# Altium PCB GE21_M1_pku_f100.PcbDoc (part 8 of 19) (continued)
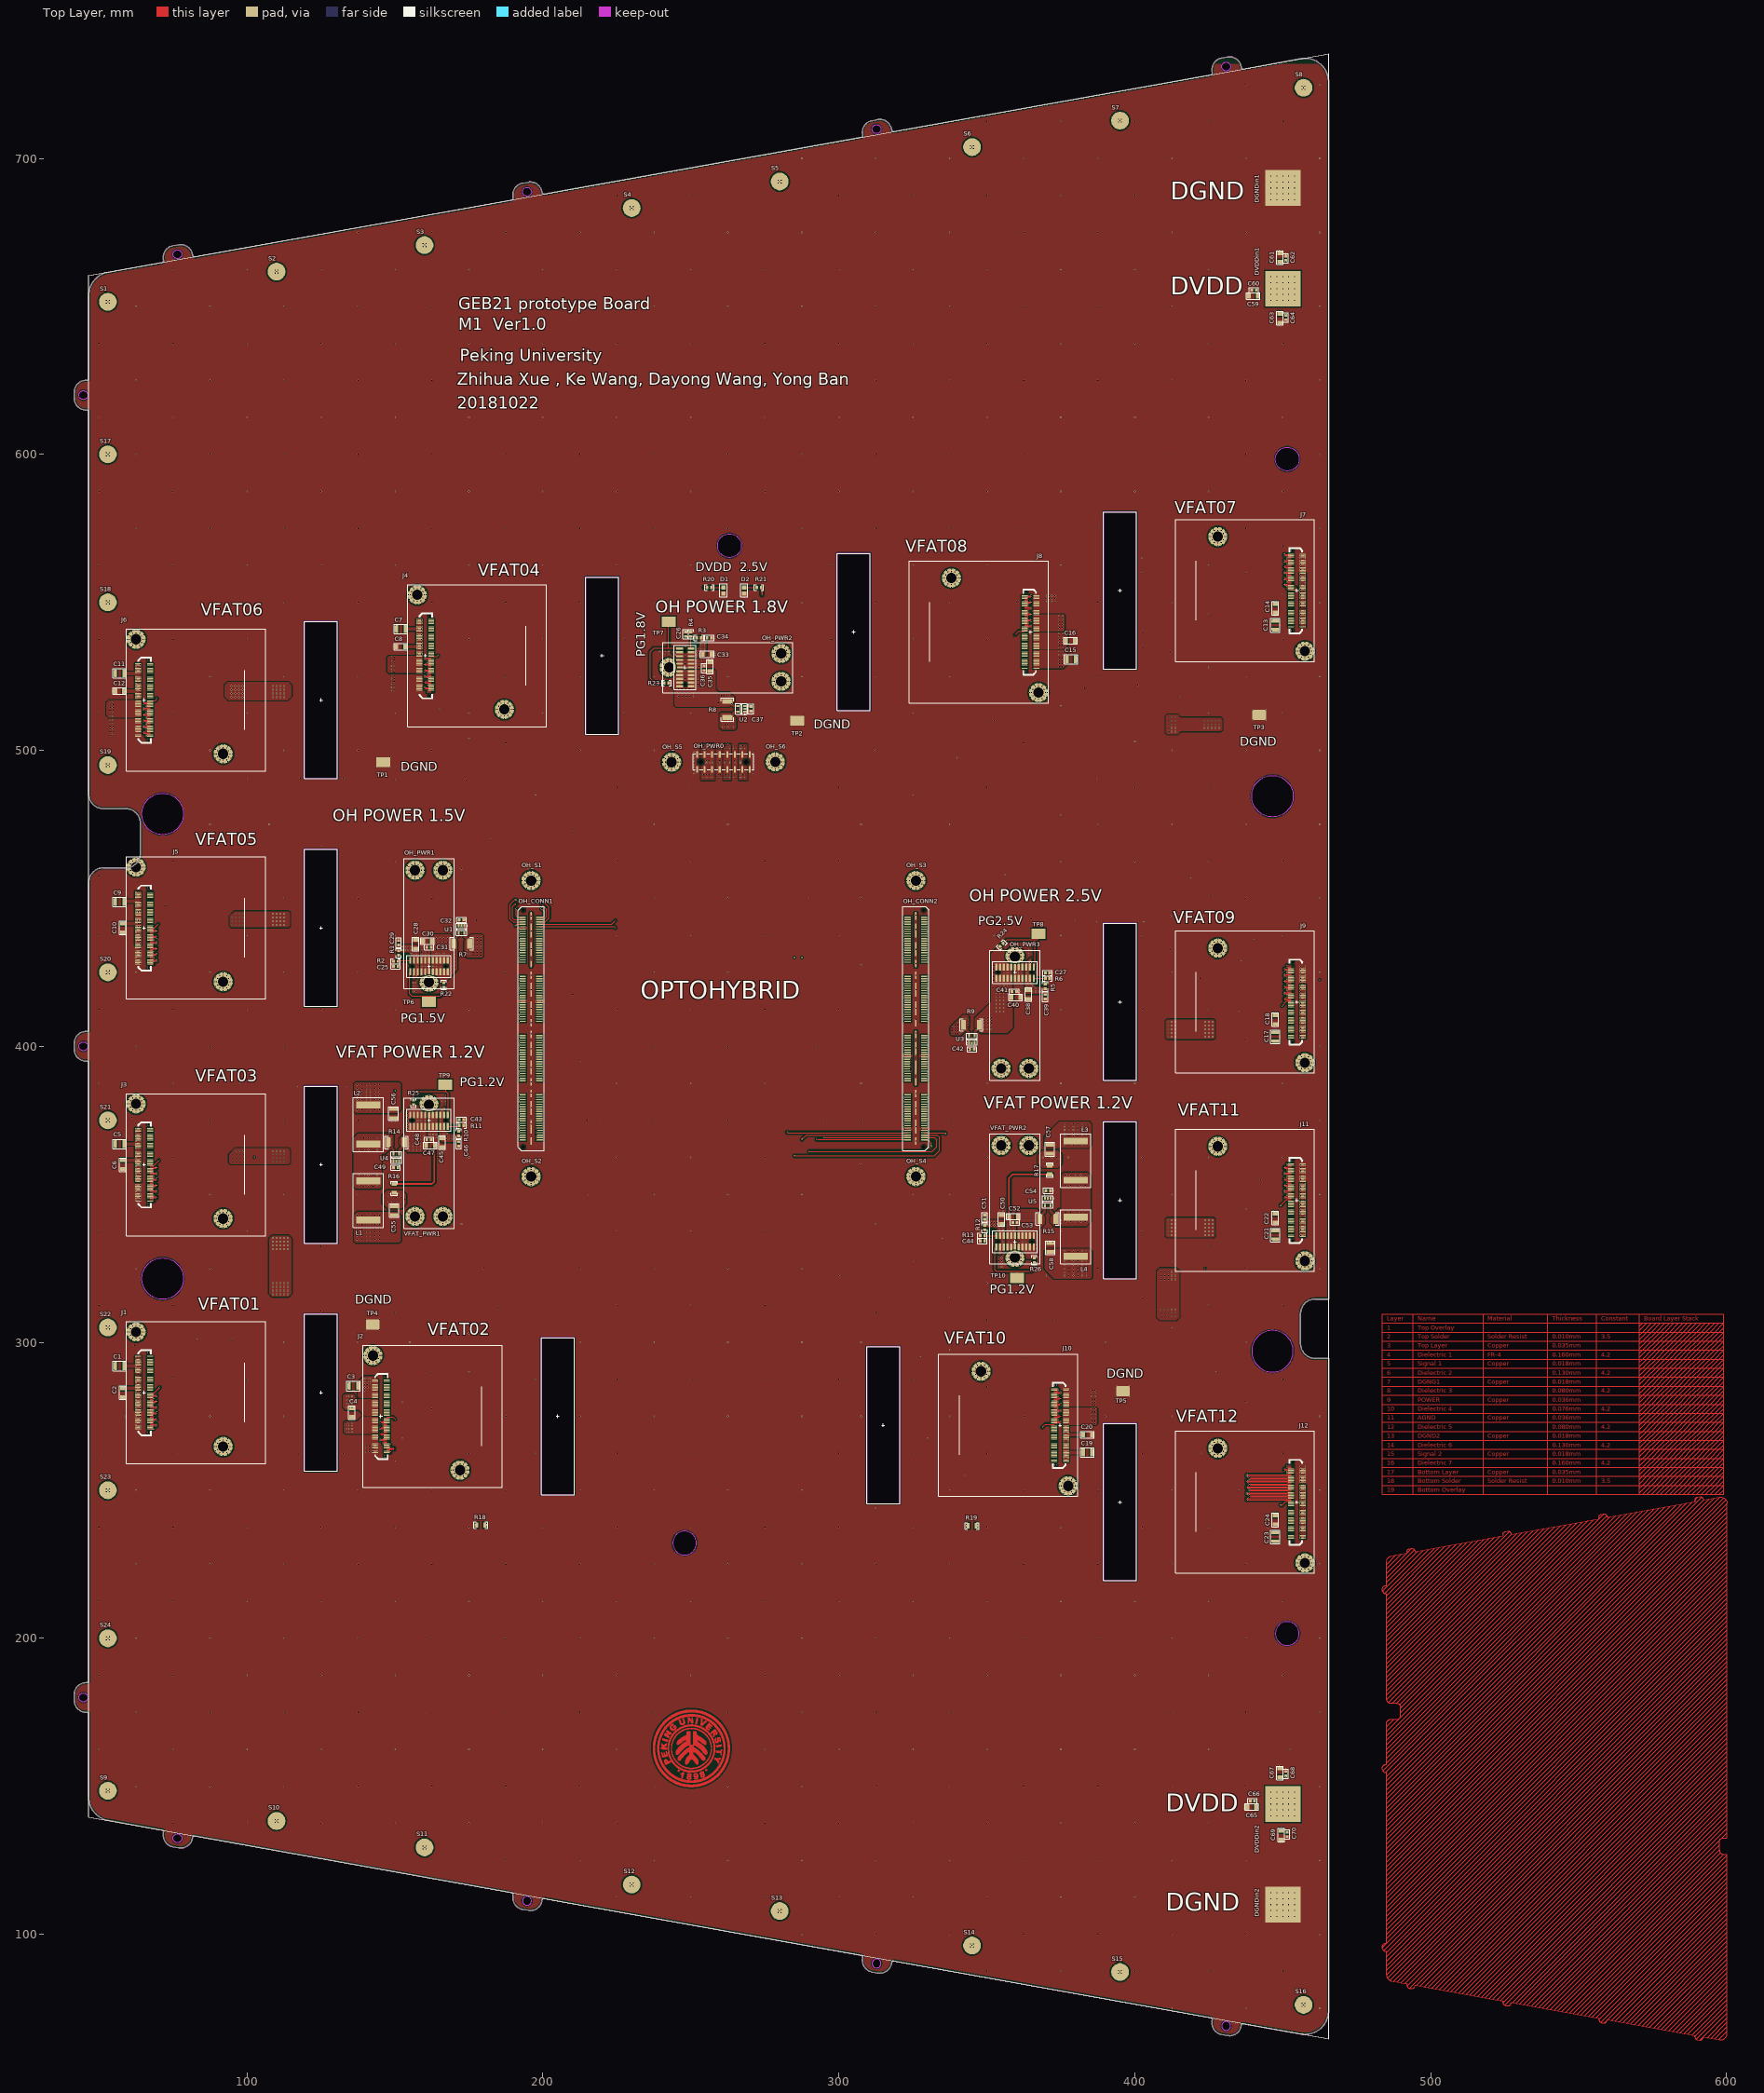
[diagram p0: Top Layer view]
## Nets (pads, with @x,y where several pads share a name; then routed paths per layer and width w, separated by ;. In a path a pad name is that pad's centre, name@x,y a point inside that pad or via, vN(x,y) a via of type N, cw(c..) or ccw(c..) an arc to the next point about the centre after c; other vN are vias at no path point) (continued)
  other v4: 374.93,276.7 375.07,276.7
J10D5_N: J10.76 OH_CONN2.87 | length 196.1
  Top Layer w0.25: J10.76@372.75,278.25 373.95,278.25 v5(374,278.3)
  Signal 2 w0.115: 315.734,409.729 301.496,395.491 ccw(c303.54,393.448) 300.65,393.448 300.65,342.552 ccw(c303.54,342.552) 301.496,340.509 317.253,324.753 340.509,301.496 ; 315.734,409.729 cw(c317.777,407.685) 317.777,410.575 321.457,410.575 ccw(c321.457,411.343) v6(322,410.8) ; 340.509,301.496 ccw(c342.552,303.54) 342.552,300.65 365.298,300.65 cw(c365.298,298.11) 367.094,299.906 378.256,288.744 cw(c376.46,286.948) 379,286.948 379,280.715 cw(c376.46,280.715) 376.46,278.175 374.302,278.175 cw(c374.302,278.602) v5(374,278.3)
  other v4: 374.07,278.3
J10D5_P: J10.74 OH_CONN2.85 | length 196.1
  Top Layer w0.25: J10.74@372.75,277.75 373.95,277.75 v5(374,277.7)
  Signal 2 w0.115: v6(322,410) ccw(c321.457,409.457) 321.457,410.225 317.777,410.225 ccw(c317.777,407.685) 315.981,409.481 301.744,395.244 ccw(c303.54,393.448) 301,393.448 301,342.552 ccw(c303.54,342.552) 301.744,340.756 317.5,325 340.756,301.744 ccw(c342.552,303.54) 342.552,301 365.298,301 cw(c365.298,298.11) 367.341,300.154 ; 367.341,300.154 378.504,288.991 ; v5(374,277.7) cw(c374.302,277.398) 374.302,277.825 376.46,277.825 ccw(c376.46,280.715) 379.35,280.715 379.35,286.948 ccw(c376.46,286.948) 378.504,288.991
  other v4: 374.07,277.7
J10D6_N: J10.80 OH_CONN2.91 | length 196.3
  Top Layer w0.115: J10.80@372.75,279.25 373.8,279.25 373.875,279.175 374.698,279.175 ccw(c374.698,279.602) v5(375,279.3)
  Signal 2 w0.115: v6(322,412.4) cw(c321.457,412.943) 321.457,412.175 317.877,412.175 ccw(c317.877,409.285) 315.834,411.329 300.496,395.991 ccw(c302.54,393.948) 299.65,393.948 299.65,342.052 ccw(c302.54,342.052) 300.496,340.009 340.009,300.496 ; 340.009,300.496 ccw(c342.052,302.54) 342.052,299.65 364.798,299.65 cw(c364.798,297.11) 366.594,298.906 377.256,288.244 cw(c375.46,286.448) 378,286.448 378,281.175 cw(c376,281.175) 376,279.175 375.302,279.175 cw(c375.302,279.602) v5(375,279.3)
  other v4: 374.93,279.3 375.07,279.3
J10D6_P: J10.78 OH_CONN2.89 | length 196.3
  Top Layer w0.115: J10.78@372.75,278.75 373.8,278.75 373.875,278.825 374.698,278.825 cw(c374.698,278.398) v4@375,278.7
  Signal 2 w0.115: v6(322,411.6) ccw(c321.457,411.057) 321.457,411.825 317.877,411.825 ccw(c317.877,409.285) 316.081,411.081 300.744,395.744 ccw(c302.54,393.948) 300,393.948 300,342.052 ccw(c302.54,342.052) 300.744,340.256 340.256,300.744 ccw(c342.052,302.54) 342.052,300 364.798,300 cw(c364.798,297.11) 366.841,299.154 ; 366.841,299.154 377.504,288.491 ; v4@375,278.7 cw(c375.302,278.398) 375.302,278.825 376,278.825 ccw(c376,281.175) 378.35,281.175 378.35,286.448 ccw(c375.46,286.448) 377.504,288.491
  other v4: 374.93,278.7 375.07,278.7
  other v5: 375,278.7
J10D7_N: J10.84 OH_CONN2.95 | length 196.4
  Top Layer w0.25: J10.84@372.75,280.25 373.95,280.25 v5(374,280.3)
  Signal 2 w0.115: v6(322,414) cw(c321.457,414.543) 321.457,413.775 317.977,413.775 ccw(c317.977,410.885) 315.934,412.929 299.496,396.491 ccw(c301.54,394.448) 298.65,394.448 298.65,341.552 ccw(c301.54,341.552) 299.496,339.509 339.545,299.46 ccw(c341.5,301.414) 341.5,298.65 364.298,298.65 cw(c364.298,296.11) 366.094,297.906 376.256,287.744 cw(c374.46,285.948) 377,285.948 377,281.675 cw(c375.5,281.675) 375.5,280.175 374.302,280.175 cw(c374.302,280.602) v5(374,280.3)
  other v4: 374.07,280.3
J10D7_P: J10.82 OH_CONN2.93 | length 196.4
  Top Layer w0.25: J10.82@372.75,279.75 373.95,279.75 v5(374,279.7)
  Signal 2 w0.115: v6(322,413.2) ccw(c321.457,412.657) 321.457,413.425 317.977,413.425 ccw(c317.977,410.885) 316.181,412.681 299.744,396.244 ccw(c301.54,394.448) 299,394.448 299,341.552 ccw(c301.54,341.552) 299.744,339.756 339.793,299.707 ccw(c341.5,301.414) 341.5,299 364.298,299 cw(c364.298,296.11) 366.341,298.154 ; 366.341,298.154 376.504,287.991 ; v5(374,279.7) cw(c374.302,279.398) 374.302,279.825 375.5,279.825 ccw(c375.5,281.675) 377.35,281.675 377.35,285.948 ccw(c374.46,285.948) 376.504,287.991
  other v4: 374.07,279.7
J10D8_N: J10.88 OH_CONN2.99 | length 196.9
  Top Layer w0.115: J10.88@372.75,281.25 373.8,281.25 373.875,281.175 374.698,281.175 ccw(c374.698,281.602) v5(375,281.3)
  Signal 2 w0.115: v6(322,415.6) cw(c321.457,416.143) 321.457,415.375 318.077,415.375 ccw(c318.077,412.485) 316.034,414.529 298.496,396.991 ccw(c300.54,394.948) 297.65,394.948 297.65,341.052 ccw(c300.54,341.052) 298.496,339.009 339.009,298.496 ; 339.009,298.496 ccw(c341.052,300.54) 341.052,297.65 363.798,297.65 cw(c363.798,295.11) 365.594,296.906 375.256,287.244 cw(c373.46,285.448) 376,285.448 376,281.675 cw(c375.5,281.675) 375.5,281.175 375.302,281.175 cw(c375.302,281.602) v5(375,281.3)
  other v4: 374.93,281.3 375.07,281.3
J10D8_P: J10.86 OH_CONN2.97 | length 196.9
  Top Layer w0.115: J10.86@372.75,280.75 373.8,280.75 373.875,280.825 374.698,280.825 cw(c374.698,280.398) v5(375,280.7)
  Signal 2 w0.115: v6(322,414.8) ccw(c321.457,414.257) 321.457,415.025 318.077,415.025 ccw(c318.077,412.485) 316.281,414.281 298.744,396.744 ccw(c300.54,394.948) 298,394.948 298,341.052 ccw(c300.54,341.052) 298.744,339.256 339.256,298.744 ccw(c341.052,300.54) 341.052,298 363.798,298 cw(c363.798,295.11) 365.841,297.154 ; 365.841,297.154 375.504,287.491 cw(c373.46,285.448) 376.35,285.448 376.35,281.675 cw(c375.5,281.675) 375.5,280.825 375.302,280.825 ccw(c375.302,280.398) v5(375,280.7)
  other v4: 374.93,280.7 375.07,280.7
J10Reset: J10.52 OH_CONN2.3 | length 180.7
  Top Layer w0.2: v1(295.025,369.225) 295.05,369.2 OH_CONN2.3@323.135,369.2 ; v1(368.75,271.25) 369.75,272.25 J10.52@372.75,272.25
  Signal 1 w0.2: v1(295.025,369.225) 295.025,335.725 333,297.75 333,273.5 335.25,271.25 v1(368.75,271.25)
J10RXD_N: J10.96 OH_CONN2.107 | length 234.6
  Top Layer w0.115: J10.96@372.75,283.25 373.8,283.25 373.875,283.175 374.698,283.175 ccw(c374.698,283.602) v5(375,283.3)
  Signal 1 w0.115: v6(322,418.8) cw(c321.457,419.343) 321.457,418.575 318.04,418.575 ccw(c318.04,415.685) 315.15,415.685 315.15,406.404 ccw(c315.708,406.404) 315.708,405.846 316.202,405.846 cw(c316.202,405.638) 316.41,405.638 316.41,405.446 cw(c316.202,405.446) 316.202,405.238 314.448,405.238 ccw(c314.448,404.68) 313.89,404.68 313.89,404.488 ccw(c314.448,404.488) 314.448,403.93 316.202,403.93 cw(c316.202,403.722) 316.41,403.722 316.41,403.53 cw(c316.202,403.53) 316.202,403.322 314.448,403.322 ccw(c314.448,402.764) 313.89,402.764 313.89,402.572 ccw(c314.448,402.572) 314.448,402.014 316.202,402.014 cw(c316.202,401.806) 316.41,401.806 316.41,401.614 cw(c316.202,401.614) 316.202,401.406 314.448,401.406 ccw(c314.448,400.848) 313.89,400.848 313.89,400.656 ccw(c314.448,400.656) 314.448,400.098 316.202,400.098 cw(c316.202,399.89) 316.41,399.89 316.41,399.698 cw(c316.202,399.698) 316.202,399.49 314.448,399.49 ccw(c314.448,398.932) 313.89,398.932 313.89,398.74 ccw(c314.448,398.74) 314.448,398.182 316.202,398.182 cw(c316.202,397.974) 316.41,397.974 316.41,397.782 cw(c316.202,397.782) 316.202,397.574 314.448,397.574 ccw(c314.448,397.016) 313.89,397.016 313.89,396.824 ccw(c314.448,396.824) 314.448,396.266 316.202,396.266 cw(c316.202,396.058) 316.41,396.058 316.41,395.866 cw(c316.202,395.866) 316.202,395.658 314.448,395.658 ccw(c314.448,395.1) 313.89,395.1 313.89,394.908 ccw(c314.448,394.908) 314.448,394.35 316.202,394.35 cw(c316.202,394.142) 316.41,394.142 316.41,393.95 cw(c316.202,393.95) 316.202,393.742 314.448,393.742 ccw(c314.448,393.184) 313.89,393.184 313.89,392.992 ccw(c314.448,392.992) 314.448,392.434 316.202,392.434 cw(c316.202,392.226) 316.41,392.226 316.41,392.034 cw(c316.202,392.034) 316.202,391.826 314.448,391.826 ccw(c314.448,391.268) 313.89,391.268 313.89,391.076 ccw(c314.448,391.076) 314.448,390.518 316.202,390.518 cw(c316.202,390.31) 316.41,390.31 316.41,390.118 cw(c316.202,390.118) 316.202,389.91 314.448,389.91 ccw(c314.448,389.352) 313.89,389.352 313.89,389.16 ccw(c314.448,389.16) 314.448,388.602 316.202,388.602 cw(c316.202,388.394) 316.41,388.394 316.41,388.202 cw(c316.202,388.202) 316.202,387.994 314.448,387.994 ccw(c314.448,387.436) 313.89,387.436 313.89,387.244 ccw(c314.448,387.244) 314.448,386.686 316.202,386.686 cw(c316.202,386.478) 316.41,386.478 316.41,386.286 cw(c316.202,386.286) 316.202,386.078 314.448,386.078 ccw(c314.448,385.52) 313.89,385.52 313.89,385.328 ccw(c314.448,385.328) 314.448,384.77 316.202,384.77 cw(c316.202,384.562) 316.41,384.562 316.41,384.37 cw(c316.202,384.37) 316.202,384.162 314.448,384.162 ccw(c314.448,383.604) 313.89,383.604 313.89,383.412 ccw(c314.448,383.412) 314.448,382.854 316.202,382.854 cw(c316.202,382.646) 316.41,382.646 316.41,382.454 cw(c316.202,382.454) 316.202,382.246 314.448,382.246 ccw(c314.448,381.688) 313.89,381.688 313.89,381.496 ccw(c314.448,381.496) 314.448,380.938 316.202,380.938 cw(c316.202,380.73) 316.41,380.73 316.41,380.538 cw(c316.202,380.538) 316.202,380.33 314.448,380.33 ccw(c314.448,379.772) 313.89,379.772 313.89,379.58 ccw(c314.448,379.58) 314.448,379.022 316.202,379.022 cw(c316.202,378.814) 316.41,378.814 316.41,378.622 cw(c316.202,378.622) 316.202,378.414 314.448,378.414 ccw(c314.448,377.856) 313.89,377.856 313.89,377.664 ccw(c314.448,377.664) 314.448,377.106 314.942,377.106 cw(c314.942,376.898) 315.15,376.898 315.15,349.547 ccw(c318.04,349.547) 315.996,347.504 375.256,288.244 cw(c373.46,286.448) 376,286.448 376,283.675 cw(c375.5,283.675) 375.5,283.175 375.302,283.175 cw(c375.302,283.602) v5(375,283.3)
  other v4: 374.93,283.3 375.07,283.3
J10RXD_P: J10.94 OH_CONN2.105 | length 234.6
  Top Layer w0.115: J10.94@372.75,282.75 373.8,282.75 373.875,282.825 374.698,282.825 cw(c374.698,282.398) v5(375,282.7)
  Signal 1 w0.115: v6(322,418) ccw(c321.457,417.457) 321.457,418.225 318.04,418.225 ccw(c318.04,415.685) 315.5,415.685 315.5,406.404 ccw(c315.708,406.404) 315.708,406.196 316.202,406.196 cw(c316.202,405.638) 316.76,405.638 316.76,405.446 cw(c316.202,405.446) 316.202,404.888 314.448,404.888 ccw(c314.448,404.68) 314.24,404.68 314.24,404.488 ccw(c314.448,404.488) 314.448,404.28 316.202,404.28 cw(c316.202,403.722) 316.76,403.722 316.76,403.53 cw(c316.202,403.53) 316.202,402.972 314.448,402.972 ccw(c314.448,402.764) 314.24,402.764 314.24,402.572 ccw(c314.448,402.572) 314.448,402.364 316.202,402.364 cw(c316.202,401.806) 316.76,401.806 316.76,401.614 cw(c316.202,401.614) 316.202,401.056 314.448,401.056 ccw(c314.448,400.848) 314.24,400.848 314.24,400.656 ccw(c314.448,400.656) 314.448,400.448 316.202,400.448 cw(c316.202,399.89) 316.76,399.89 316.76,399.698 cw(c316.202,399.698) 316.202,399.14 314.448,399.14 ccw(c314.448,398.932) 314.24,398.932 314.24,398.74 ccw(c314.448,398.74) 314.448,398.532 316.202,398.532 cw(c316.202,397.974) 316.76,397.974 316.76,397.782 cw(c316.202,397.782) 316.202,397.224 314.448,397.224 ccw(c314.448,397.016) 314.24,397.016 314.24,396.824 ccw(c314.448,396.824) 314.448,396.616 316.202,396.616 cw(c316.202,396.058) 316.76,396.058 316.76,395.866 cw(c316.202,395.866) 316.202,395.308 314.448,395.308 ccw(c314.448,395.1) 314.24,395.1 314.24,394.908 ccw(c314.448,394.908) 314.448,394.7 316.202,394.7 cw(c316.202,394.142) 316.76,394.142 316.76,393.95 cw(c316.202,393.95) 316.202,393.392 314.448,393.392 ccw(c314.448,393.184) 314.24,393.184 314.24,392.992 ccw(c314.448,392.992) 314.448,392.784 316.202,392.784 cw(c316.202,392.226) 316.76,392.226 316.76,392.034 cw(c316.202,392.034) 316.202,391.476 314.448,391.476 ccw(c314.448,391.268) 314.24,391.268 314.24,391.076 ccw(c314.448,391.076) 314.448,390.868 316.202,390.868 cw(c316.202,390.31) 316.76,390.31 316.76,390.118 cw(c316.202,390.118) 316.202,389.56 314.448,389.56 ccw(c314.448,389.352) 314.24,389.352 314.24,389.16 ccw(c314.448,389.16) 314.448,388.952 316.202,388.952 cw(c316.202,388.394) 316.76,388.394 316.76,388.202 cw(c316.202,388.202) 316.202,387.644 314.448,387.644 ccw(c314.448,387.436) 314.24,387.436 314.24,387.244 ccw(c314.448,387.244) 314.448,387.036 316.202,387.036 cw(c316.202,386.478) 316.76,386.478 316.76,386.286 cw(c316.202,386.286) 316.202,385.728 314.448,385.728 ccw(c314.448,385.52) 314.24,385.52 314.24,385.328 ccw(c314.448,385.328) 314.448,385.12 316.202,385.12 cw(c316.202,384.562) 316.76,384.562 316.76,384.37 cw(c316.202,384.37) 316.202,383.812 314.448,383.812 ccw(c314.448,383.604) 314.24,383.604 314.24,383.412 ccw(c314.448,383.412) 314.448,383.204 316.202,383.204 cw(c316.202,382.646) 316.76,382.646 316.76,382.454 cw(c316.202,382.454) 316.202,381.896 314.448,381.896 ccw(c314.448,381.688) 314.24,381.688 314.24,381.496 ccw(c314.448,381.496) 314.448,381.288 316.202,381.288 cw(c316.202,380.73) 316.76,380.73 316.76,380.538 cw(c316.202,380.538) 316.202,379.98 314.448,379.98 ccw(c314.448,379.772) 314.24,379.772 314.24,379.58 ccw(c314.448,379.58) 314.448,379.372 316.202,379.372 cw(c316.202,378.814) 316.76,378.814 316.76,378.622 cw(c316.202,378.622) 316.202,378.064 314.448,378.064 ccw(c314.448,377.856) 314.24,377.856 314.24,377.664 ccw(c314.448,377.664) 314.448,377.456 314.942,377.456 cw(c314.942,376.898) 315.5,376.898 315.5,349.547 ccw(c318.04,349.547) 316.244,347.751 375.504,288.491 cw(c373.46,286.448) 376.35,286.448 376.35,283.675 cw(c375.5,283.675) 375.5,282.825 375.302,282.825 ccw(c375.302,282.398) v5(375,282.7)
  other v4: 374.93,282.7 375.07,282.7
J10Strobe_N: J10.56 OH_CONN2.67 | length 194.7
  Top Layer w0.115: J10.56@372.75,273.25 373.8,273.25 373.875,273.175 374.698,273.175 ccw(c374.698,273.602) v5(375,273.3)
  Signal 2 w0.115: 306.496,343.009 cw(c308.54,345.052) 305.65,345.052 305.65,390.948 cw(c308.54,390.948) 306.496,392.991 311.234,397.729 cw(c313.277,395.685) 313.277,398.575 321.457,398.575 ccw(c321.457,399.343) v6(322,398.8) ; 306.496,343.009 343.009,306.496 ccw(c345.052,308.54) 345.052,305.65 367.798,305.65 cw(c367.798,303.11) 369.594,304.906 383.256,291.244 cw(c381.46,289.448) 384,289.448 384,275.715 cw(c381.46,275.715) 381.46,273.175 375.302,273.175 cw(c375.302,273.602) v5(375,273.3)
  other v4: 374.93,273.3 375.07,273.3
J10Strobe_P: J10.54 OH_CONN2.65 | length 194.7
  Top Layer w0.115: J10.54@372.75,272.75 373.8,272.75 373.875,272.825 374.698,272.825 cw(c374.698,272.398) v5(375,272.7)
  Signal 2 w0.115: v6(322,398) ccw(c321.457,397.457) 321.457,398.225 313.277,398.225 ccw(c313.277,395.685) 311.481,397.481 306.744,392.744 ccw(c308.54,390.948) 306,390.948 306,345.052 ccw(c308.54,345.052) 306.744,343.256 343.256,306.744 ccw(c345.052,308.54) 345.052,306 367.798,306 cw(c367.798,303.11) 369.841,305.154 ; 369.841,305.154 383.504,291.491 cw(c381.46,289.448) 384.35,289.448 384.35,275.715 cw(c381.46,275.715) 381.46,272.825 375.302,272.825 ccw(c375.302,272.398) v5(375,272.7)
  other v4: 374.93,272.7 375.07,272.7
J10TXD_N: J10.92 OH_CONN2.103 | length 165.3
  Top Layer w0.25: J10.92@372.75,282.25 373.95,282.25 v5(374,282.3)
  Signal 1 w0.115: v6(322,417.2) cw(c321.457,417.743) 321.457,416.975 321.04,416.975 ccw(c321.04,414.085) 318.15,414.085 318.15,348.047 ccw(c321.04,348.047) 318.996,346.004 376.256,288.744 cw(c374.46,286.948) 377,286.948 377,283.675 cw(c375.5,283.675) 375.5,282.175 374.302,282.175 cw(c374.302,282.602) v5(374,282.3)
  other v4: 374.07,282.3
J10TXD_P: J10.90 OH_CONN2.101 | length 165.3
  Top Layer w0.25: J10.90@372.75,281.75 373.95,281.75 v5(374,281.7)
  Signal 1 w0.115: v6(322,416.4) ccw(c321.457,415.857) 321.457,416.625 321.04,416.625 ccw(c321.04,414.085) 318.5,414.085 318.5,348.047 ccw(c321.04,348.047) 319.244,346.251 376.504,288.991 ; v5(374,281.7) cw(c374.302,281.398) 374.302,281.825 375.5,281.825 ccw(c375.5,283.675) 377.35,283.675 377.35,286.948 ccw(c374.46,286.948) 376.504,288.991
  other v4: 374.07,281.7
J11CLK_N: J11.100 OH_CONN2.60 | length 234.6
  Top Layer w0.25: v5(451.5,360.3) 451.55,360.25 J11.100@452.75,360.25
  Signal 1 w0.115: v6(330,395.6) ccw(c330.543,396.143) 330.543,395.375 333.928,395.375 cw(c333.928,392.485) 335.971,394.529 343.756,386.744 ccw(c345.552,388.54) 345.552,386 402.948,386 ccw(c402.948,388.54) 404.744,386.744 415.004,397.004 cw(c417.047,394.96) 417.047,397.85 429.096,397.85 ccw(c429.096,398.058) 429.304,398.058 429.304,398.562 cw(c429.862,398.562) 429.862,399.12 430.054,399.12 cw(c430.054,398.562) 430.612,398.562 430.612,396.788 ccw(c430.82,396.788) 430.82,396.58 431.012,396.58 ccw(c431.012,396.788) 431.22,396.788 431.22,398.562 cw(c431.778,398.562) 431.778,399.12 431.97,399.12 cw(c431.97,398.562) 432.528,398.562 432.528,396.788 ccw(c432.736,396.788) 432.736,396.58 432.928,396.58 ccw(c432.928,396.788) 433.136,396.788 433.136,398.562 cw(c433.694,398.562) 433.694,399.12 433.886,399.12 cw(c433.886,398.562) 434.444,398.562 434.444,396.788 ccw(c434.652,396.788) 434.652,396.58 434.844,396.58 ccw(c434.844,396.788) 435.052,396.788 435.052,398.562 cw(c435.61,398.562) 435.61,399.12 435.802,399.12 cw(c435.802,398.562) 436.36,398.562 436.36,396.788 ccw(c436.568,396.788) 436.568,396.58 436.76,396.58 ccw(c436.76,396.788) 436.968,396.788 436.968,398.562 cw(c437.526,398.562) 437.526,399.12 437.718,399.12 cw(c437.718,398.562) 438.276,398.562 438.276,396.788 ccw(c438.484,396.788) 438.484,396.58 438.676,396.58 ccw(c438.676,396.788) 438.884,396.788 438.884,398.562 cw(c439.442,398.562) 439.442,399.12 439.634,399.12 cw(c439.634,398.562) 440.192,398.562 440.192,396.788 ccw(c440.4,396.788) 440.4,396.58 440.592,396.58 ccw(c440.592,396.788) 440.8,396.788 440.8,397.292 cw(c441.358,397.292) 441.358,397.85 442.96,397.85 cw(c442.96,394.96) 445.85,394.96 445.85,387.522 ccw(c446.058,387.522) 446.058,387.314 446.54,387.314 cw(c446.54,386.756) 447.098,386.756 447.098,386.564 cw(c446.54,386.564) 446.54,386.006 444.81,386.006 ccw(c444.81,385.798) 444.602,385.798 444.602,385.606 ccw(c444.81,385.606) 444.81,385.398 446.54,385.398 cw(c446.54,384.84) 447.098,384.84 447.098,384.648 cw(c446.54,384.648) 446.54,384.09 444.81,384.09 ccw(c444.81,383.882) 444.602,383.882 444.602,383.69 ccw(c444.81,383.69) 444.81,383.482 446.54,383.482 cw(c446.54,382.924) 447.098,382.924 447.098,382.732 cw(c446.54,382.732) 446.54,382.174 444.81,382.174 ccw(c444.81,381.966) 444.602,381.966 444.602,381.774 ccw(c444.81,381.774) 444.81,381.566 446.54,381.566 cw(c446.54,381.008) 447.098,381.008 447.098,380.816 cw(c446.54,380.816) 446.54,380.258 444.81,380.258 ccw(c444.81,380.05) 444.602,380.05 444.602,379.858 ccw(c444.81,379.858) 444.81,379.65 446.54,379.65 cw(c446.54,379.092) 447.098,379.092 447.098,378.9 cw(c446.54,378.9) 446.54,378.342 444.81,378.342 ccw(c444.81,378.134) 444.602,378.134 444.602,377.942 ccw(c444.81,377.942) 444.81,377.734 446.54,377.734 cw(c446.54,377.176) 447.098,377.176 447.098,376.984 cw(c446.54,376.984) 446.54,376.426 444.81,376.426 ccw(c444.81,376.218) 444.602,376.218 444.602,376.026 ccw(c444.81,376.026) 444.81,375.818 446.54,375.818 cw(c446.54,375.26) 447.098,375.26 447.098,375.068 cw(c446.54,375.068) 446.54,374.51 444.81,374.51 ccw(c444.81,374.302) 444.602,374.302 444.602,374.11 ccw(c444.81,374.11) 444.81,373.902 446.54,373.902 cw(c446.54,373.344) 447.098,373.344 447.098,373.152 cw(c446.54,373.152) 446.54,372.594 444.81,372.594 ccw(c444.81,372.386) 444.602,372.386 444.602,372.194 ccw(c444.81,372.194) 444.81,371.986 446.54,371.986 cw(c446.54,371.428) 447.098,371.428 447.098,371.236 cw(c446.54,371.236) 446.54,370.678 444.81,370.678 ccw(c444.81,370.47) 444.602,370.47 444.602,370.278 ccw(c444.81,370.278) 444.81,370.07 446.54,370.07 cw(c446.54,369.512) 447.098,369.512 447.098,369.32 cw(c446.54,369.32) 446.54,368.762 444.81,368.762 ccw(c444.81,368.554) 444.602,368.554 444.602,368.362 ccw(c444.81,368.362) 444.81,368.154 445.292,368.154 cw(c445.292,367.596) 445.85,367.596 445.85,364.702 ccw(c448.39,364.702) 446.594,362.906 448.581,360.919 ccw(c450.377,362.715) 449,360.581 ccw(c450.377,362.715) 450.377,360.175 451.198,360.175 ccw(c451.198,360.602) v5(451.5,360.3)
  other v4: 451.43,360.3
J11CLK_P: J11.98 OH_CONN2.58 | length 234.6
  Top Layer w0.25: v5(451.5,359.7) 451.55,359.75 J11.98@452.75,359.75
  Signal 1 w0.115: v6(330,394.8) cw(c330.543,394.257) 330.543,395.025 333.928,395.025 cw(c333.928,392.485) 335.724,394.281 343.509,386.496 ccw(c345.552,388.54) 345.552,385.65 402.948,385.65 ccw(c402.948,388.54) 404.991,386.496 415.251,396.756 cw(c417.047,394.96) 417.047,397.5 429.096,397.5 ccw(c429.096,398.058) 429.654,398.058 429.654,398.562 cw(c429.862,398.562) 429.862,398.77 430.054,398.77 cw(c430.054,398.562) 430.262,398.562 430.262,396.788 ccw(c430.82,396.788) 430.82,396.23 431.012,396.23 ccw(c431.012,396.788) 431.57,396.788 431.57,398.562 cw(c431.778,398.562) 431.778,398.77 431.97,398.77 cw(c431.97,398.562) 432.178,398.562 432.178,396.788 ccw(c432.736,396.788) 432.736,396.23 432.928,396.23 ccw(c432.928,396.788) 433.486,396.788 433.486,398.562 cw(c433.694,398.562) 433.694,398.77 433.886,398.77 cw(c433.886,398.562) 434.094,398.562 434.094,396.788 ccw(c434.652,396.788) 434.652,396.23 434.844,396.23 ccw(c434.844,396.788) 435.402,396.788 435.402,398.562 cw(c435.61,398.562) 435.61,398.77 435.802,398.77 cw(c435.802,398.562) 436.01,398.562 436.01,396.788 ccw(c436.568,396.788) 436.568,396.23 436.76,396.23 ccw(c436.76,396.788) 437.318,396.788 437.318,398.562 cw(c437.526,398.562) 437.526,398.77 437.718,398.77 cw(c437.718,398.562) 437.926,398.562 437.926,396.788 ccw(c438.484,396.788) 438.484,396.23 438.676,396.23 ccw(c438.676,396.788) 439.234,396.788 439.234,398.562 cw(c439.442,398.562) 439.442,398.77 439.634,398.77 cw(c439.634,398.562) 439.842,398.562 439.842,396.788 ccw(c440.4,396.788) 440.4,396.23 440.592,396.23 ccw(c440.592,396.788) 441.15,396.788 441.15,397.292 cw(c441.358,397.292) 441.358,397.5 442.96,397.5 cw(c442.96,394.96) 445.5,394.96 445.5,387.522 ccw(c446.058,387.522) 446.058,386.964 446.54,386.964 cw(c446.54,386.756) 446.748,386.756 446.748,386.564 cw(c446.54,386.564) 446.54,386.356 444.81,386.356 ccw(c444.81,385.798) 444.252,385.798 444.252,385.606 ccw(c444.81,385.606) 444.81,385.048 446.54,385.048 cw(c446.54,384.84) 446.748,384.84 446.748,384.648 cw(c446.54,384.648) 446.54,384.44 444.81,384.44 ccw(c444.81,383.882) 444.252,383.882 444.252,383.69 ccw(c444.81,383.69) 444.81,383.132 446.54,383.132 cw(c446.54,382.924) 446.748,382.924 446.748,382.732 cw(c446.54,382.732) 446.54,382.524 444.81,382.524 ccw(c444.81,381.966) 444.252,381.966 444.252,381.774 ccw(c444.81,381.774) 444.81,381.216 446.54,381.216 cw(c446.54,381.008) 446.748,381.008 446.748,380.816 cw(c446.54,380.816) 446.54,380.608 444.81,380.608 ccw(c444.81,380.05) 444.252,380.05 444.252,379.858 ccw(c444.81,379.858) 444.81,379.3 446.54,379.3 cw(c446.54,379.092) 446.748,379.092 446.748,378.9 cw(c446.54,378.9) 446.54,378.692 444.81,378.692 ccw(c444.81,378.134) 444.252,378.134 444.252,377.942 ccw(c444.81,377.942) 444.81,377.384 446.54,377.384 cw(c446.54,377.176) 446.748,377.176 446.748,376.984 cw(c446.54,376.984) 446.54,376.776 444.81,376.776 ccw(c444.81,376.218) 444.252,376.218 444.252,376.026 ccw(c444.81,376.026) 444.81,375.468 446.54,375.468 cw(c446.54,375.26) 446.748,375.26 446.748,375.068 cw(c446.54,375.068) 446.54,374.86 444.81,374.86 ccw(c444.81,374.302) 444.252,374.302 444.252,374.11 ccw(c444.81,374.11) 444.81,373.552 446.54,373.552 cw(c446.54,373.344) 446.748,373.344 446.748,373.152 cw(c446.54,373.152) 446.54,372.944 444.81,372.944 ccw(c444.81,372.386) 444.252,372.386 444.252,372.194 ccw(c444.81,372.194) 444.81,371.636 446.54,371.636 cw(c446.54,371.428) 446.748,371.428 446.748,371.236 cw(c446.54,371.236) 446.54,371.028 444.81,371.028 ccw(c444.81,370.47) 444.252,370.47 444.252,370.278 ccw(c444.81,370.278) 444.81,369.72 446.54,369.72 cw(c446.54,369.512) 446.748,369.512 446.748,369.32 cw(c446.54,369.32) 446.54,369.112 444.81,369.112 ccw(c444.81,368.554) 444.252,368.554 444.252,368.362 ccw(c444.81,368.362) 444.81,367.804 445.292,367.804 cw(c445.292,367.596) 445.5,367.596 445.5,364.702 ccw(c448.39,364.702) 446.346,362.659 ; 446.346,362.659 448.334,360.671 ccw(c450.377,362.715) 448.65,360.398 ccw(c450.377,362.715) 450.377,359.825 451.198,359.825 cw(c451.198,359.398) v5(451.5,359.7)
  other v4: 451.43,359.7
J11D1_N: J11.60 OH_CONN2.20 | length 135.3
  Top Layer w0.25: v5(451.5,350.3) 451.55,350.25 J11.60@452.75,350.25
  Signal 2 w0.115: v6(330,375.6) ccw(c330.543,376.143) 330.543,375.375 333.323,375.375 ccw(c333.323,377.915) 335.119,376.119 336.504,377.504 cw(c338.547,375.46) 338.547,378.35 401.448,378.35 cw(c401.448,375.46) 403.491,377.504 430.076,350.919 ccw(c431.872,352.715) 431.872,350.175 451.198,350.175 ccw(c451.198,350.602) v5(451.5,350.3)
  other v4: 451.43,350.3
J11D1_P: J11.58 OH_CONN2.18 | length 135.3
  Top Layer w0.25: v5(451.5,349.7) 451.55,349.75 J11.58@452.75,349.75
  Signal 2 w0.115: v6(330,374.8) cw(c330.543,374.257) 330.543,375.025 333.323,375.025 ccw(c333.323,377.915) 335.366,375.871 336.751,377.256 cw(c338.547,375.46) 338.547,378 401.448,378 cw(c401.448,375.46) 403.244,377.256 429.829,350.671 ccw(c431.872,352.715) 431.872,349.825 451.198,349.825 cw(c451.198,349.398) v5(451.5,349.7)
  other v4: 451.43,349.7
J11D2_N: J11.64 OH_CONN2.24 | length 135.1
  Top Layer w0.115: v5(450.5,351.3) ccw(c450.802,351.602) 450.802,351.175 451.625,351.175 451.7,351.25 J11.64@452.75,351.25
  Signal 2 w0.115: v6(330,377.2) ccw(c330.543,377.743) 330.543,376.975 333.423,376.975 ccw(c333.423,379.515) 335.219,377.719 336.004,378.504 cw(c338.047,376.46) 338.047,379.35 401.948,379.35 cw(c401.948,376.46) 403.991,378.504 430.576,351.919 ccw(c432.372,353.715) 432.372,351.175 450.198,351.175 ccw(c450.198,351.602) v5(450.5,351.3)
  other v4: 450.43,351.3 450.57,351.3
J11D2_P: J11.62 OH_CONN2.22 | length 135.1
  Top Layer w0.115: v5(450.5,350.7) cw(c450.802,350.398) 450.802,350.825 451.625,350.825 451.7,350.75 J11.62@452.75,350.75
  Signal 2 w0.115: v6(330,376.4) cw(c330.543,375.857) 330.543,376.625 333.423,376.625 ccw(c333.423,379.515) 335.466,377.471 336.251,378.256 cw(c338.047,376.46) 338.047,379 401.948,379 cw(c401.948,376.46) 403.744,378.256 430.329,351.671 ccw(c432.372,353.715) 432.372,350.825 450.198,350.825 cw(c450.198,350.398) v5(450.5,350.7)
  other v4: 450.43,350.7 450.57,350.7
J11D3_N: J11.68 OH_CONN2.28 | length 134.8
  Top Layer w0.25: v5(451.5,352.3) 451.55,352.25 J11.68@452.75,352.25
  Signal 2 w0.115: v6(330,378.8) ccw(c330.543,379.343) 330.543,378.575 333.523,378.575 ccw(c333.523,381.115) 335.319,379.319 335.504,379.504 cw(c337.547,377.46) 337.547,380.35 402.448,380.35 cw(c402.448,377.46) 404.491,379.504 431.076,352.919 ccw(c432.872,354.715) 432.872,352.175 451.198,352.175 ccw(c451.198,352.602) v5(451.5,352.3)
  other v4: 451.43,352.3
J11D3_P: J11.66 OH_CONN2.26 | length 134.8
  Top Layer w0.25: v5(451.5,351.7) 451.55,351.75 J11.66@452.75,351.75
  Signal 2 w0.115: v6(330,378) cw(c330.543,377.457) 330.543,378.225 333.523,378.225 ccw(c333.523,381.115) 335.566,379.071 335.751,379.256 cw(c337.547,377.46) 337.547,380 402.448,380 cw(c402.448,377.46) 404.244,379.256 430.829,352.671 ccw(c432.872,354.715) 432.872,351.825 451.198,351.825 cw(c451.198,351.398) v5(451.5,351.7)
  other v4: 451.43,351.7
J11D4_N: J11.72 OH_CONN2.32 | length 134.7
  Top Layer w0.115: v5(450.5,353.3) ccw(c450.802,353.602) 450.802,353.175 451.625,353.175 451.7,353.25 J11.72@452.75,353.25
  Signal 2 w0.115: v6(330,380.4) ccw(c330.543,380.943) 330.543,380.175 333.774,380.175 ccw(c333.774,381.867) 334.971,380.671 335.12,380.82 cw(c336.4,379.539) 336.4,381.35 402.948,381.35 cw(c402.948,378.46) 404.991,380.504 431.576,353.919 ccw(c433.372,355.715) 433.372,353.175 450.198,353.175 ccw(c450.198,353.602) v5(450.5,353.3)
  other v4: 450.43,353.3 450.57,353.3
J11D4_P: J11.70 OH_CONN2.30 | length 134.7
  Top Layer w0.115: v5(450.5,352.7) cw(c450.802,352.398) 450.802,352.825 451.625,352.825 451.7,352.75 J11.70@452.75,352.75
  Signal 2 w0.115: v6(330,379.6) cw(c330.543,379.057) 330.543,379.825 333.774,379.825 ccw(c333.774,381.867) 335.218,380.423 335.367,380.572 cw(c336.4,379.539) 336.4,381 402.948,381 cw(c402.948,378.46) 404.744,380.256 431.329,353.671 ccw(c433.372,355.715) 433.372,352.825 450.198,352.825 cw(c450.198,352.398) v5(450.5,352.7)
  other v4: 450.43,352.7 450.57,352.7
J11D5_N: J11.76 OH_CONN2.36 | length 134.5
  Top Layer w0.25: v5(451.5,354.3) 451.55,354.25 J11.76@452.75,354.25
  Signal 2 w0.115: v6(330,382) ccw(c330.543,382.543) 330.543,381.775 334.336,381.775 ccw(c334.336,382.364) 334.753,381.947 cw(c335.724,380.976) 335.724,382.35 417.948,382.35 cw(c417.948,379.46) 419.991,381.504 440.142,361.353 440.147,361.353 440.25,361.25 446.581,354.919 ccw(c448.377,356.715) 448.377,354.175 451.198,354.175 ccw(c451.198,354.602) v5(451.5,354.3)
  other v4: 451.43,354.3
J11D5_P: J11.74 OH_CONN2.34 | length 134.5
  Top Layer w0.25: v5(451.5,353.7) 451.55,353.75 J11.74@452.75,353.75
  Signal 2 w0.115: v6(330,381.2) cw(c330.543,380.657) 330.543,381.425 334.336,381.425 ccw(c334.336,382.364) 335,381.7 cw(c335.724,380.976) 335.724,382 417.948,382 cw(c417.948,379.46) 419.744,381.256 439.997,361.003 440.003,361.003 446.334,354.671 ccw(c448.377,356.715) 448.377,353.825 451.198,353.825 cw(c451.198,353.398) v5(451.5,353.7)
  other v4: 451.43,353.7